# Altium PCB Enigma Rev A.PcbDoc (part 6 of 7) (continued)
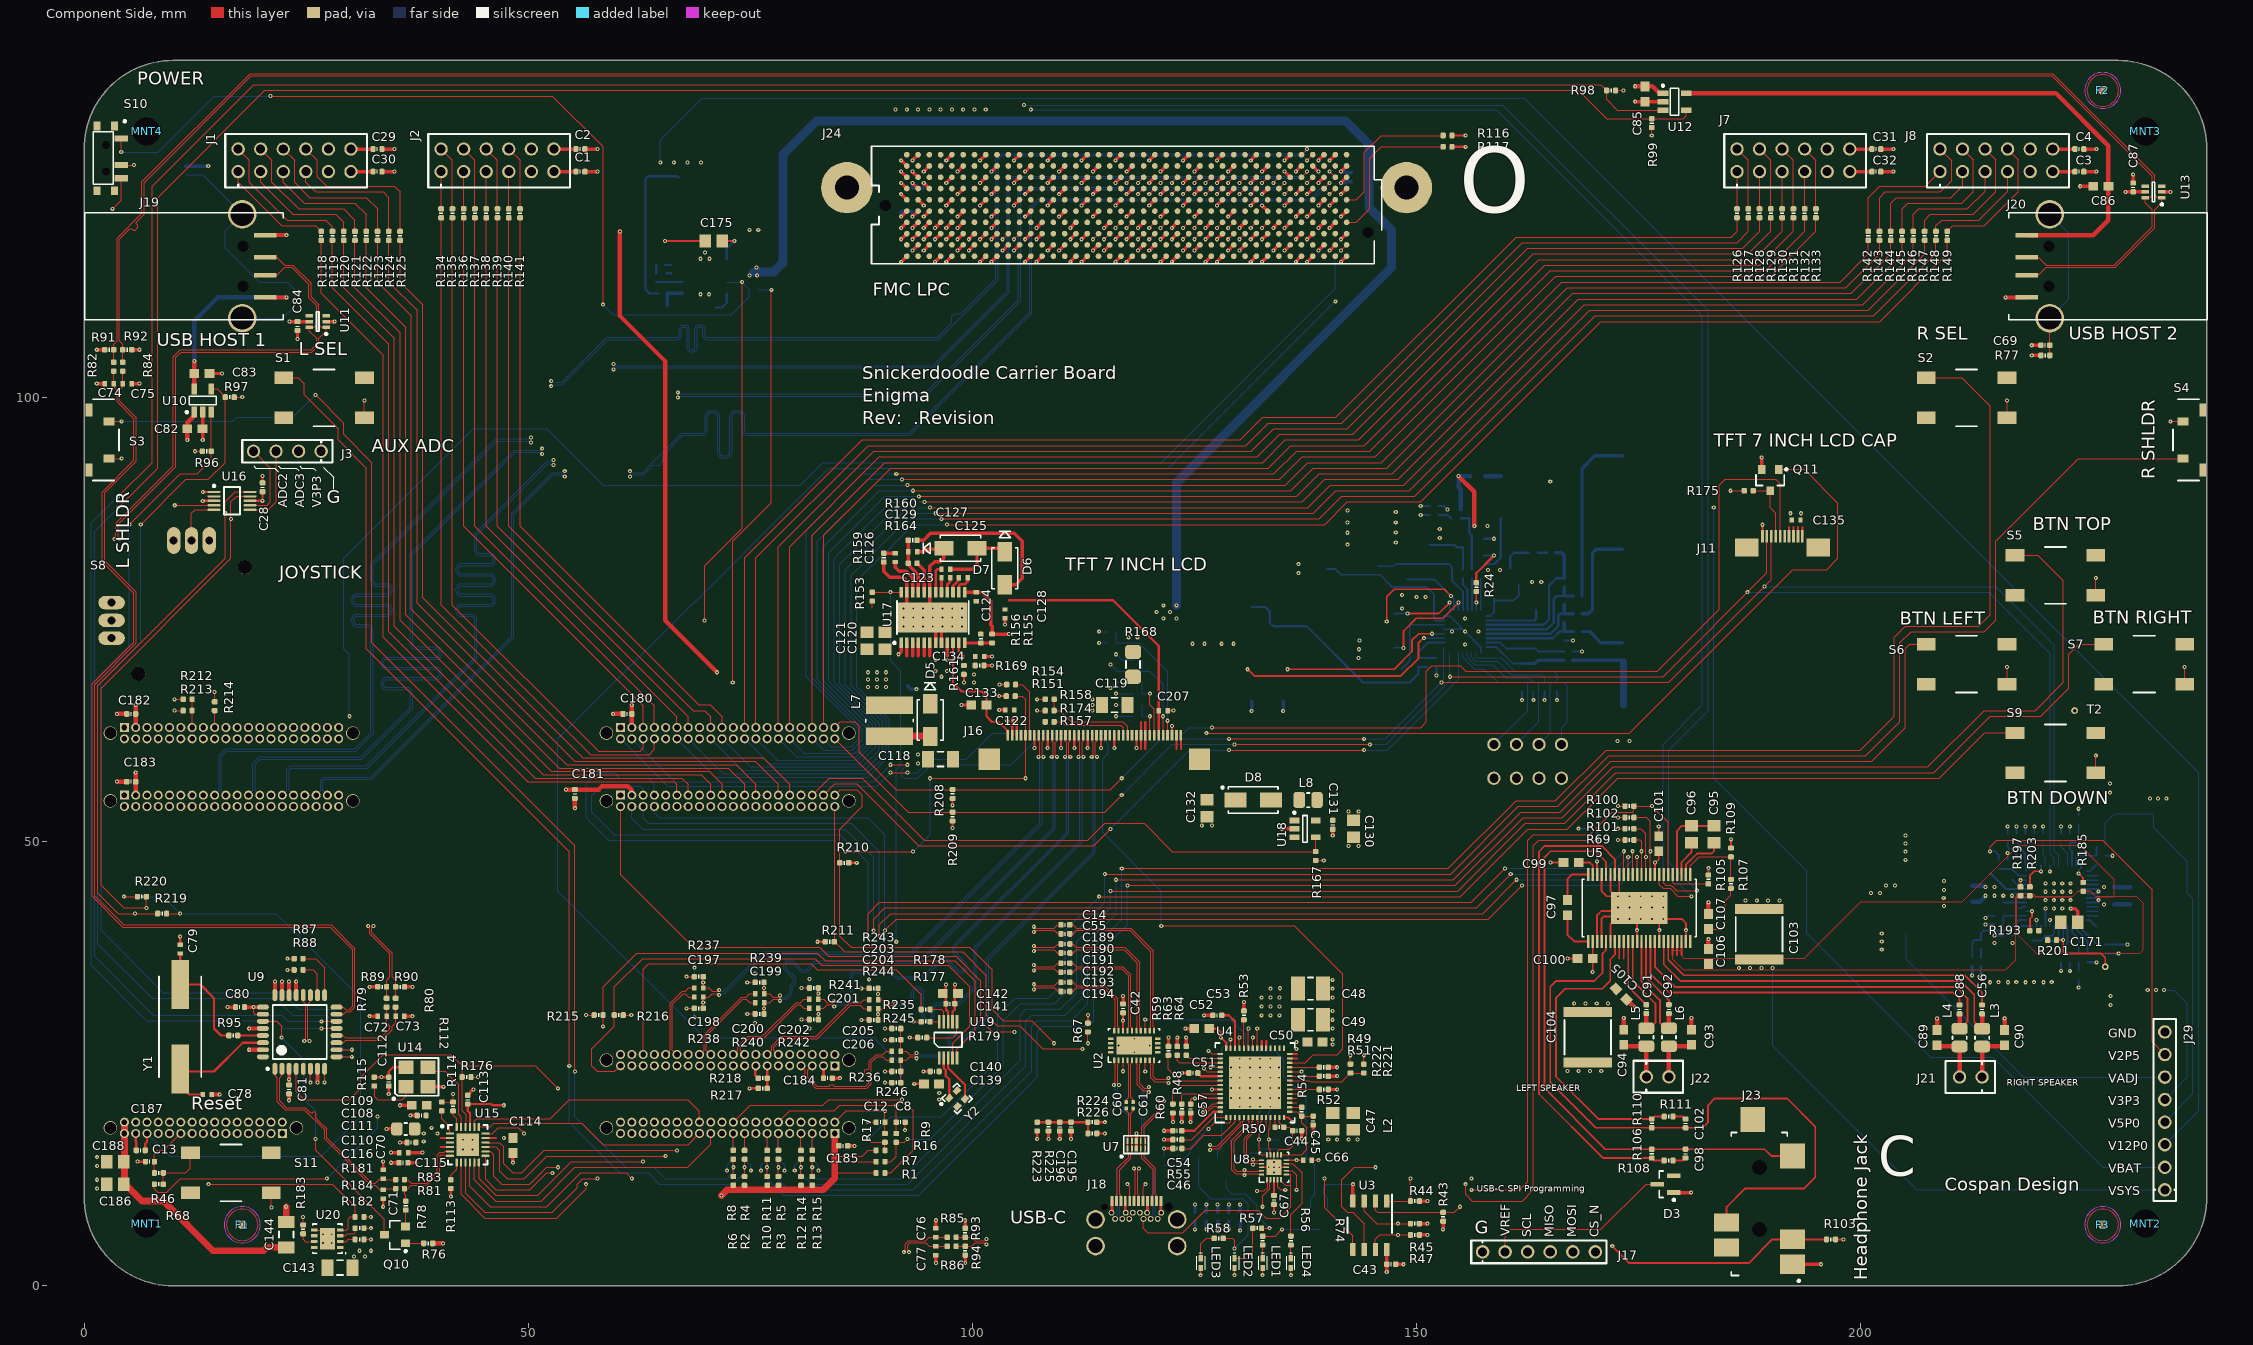
[diagram p0: Component Side view]
## Nets (pads, with @x,y where several pads share a name; then routed paths per layer and width w, separated by ;. In a path a pad name is that pad's centre, name@x,y a point inside that pad or via, vN(x,y) a via of type N, cw(c..) or ccw(c..) an arc to the next point about the centre after c; other vN are vias at no path point) (continued)
  other v1: 38.227,16.256 38.227,17.145 39.751,17.145 39.116,17.78 136.5,26.65 136.5,27.45 232.652,54.869 233.568,54.869 234.485,54.869 88.265,67.437 89.281,67.437 90.297,67.437 88.265,68.263 89.281,68.263 90.297,68.263 89.281,69.088 90.297,69.088
V12P0: C176.2 J24.C35 J24.C37 J29.3 L13.1 R205.1 | length 272.5
  Component Side w0.381: v1(95.806,117.856) J24.C37@96.441,118.491 ; v1(98.346,117.856) J24.C35@98.981,118.491
  Solder Side w0.127: v1(64.868,126.486) 64.868,129.003 69.596,133.731 162.179,133.731 238.125,57.785 238.125,19.685 J29.3@234.315,15.875
  Solder Side w0.254: R205.1@64.65,111.76 63.655,111.76 63.2,112.215 63.2,124.691 63.471,124.962 66.803,124.962 L13.1@66.95,124.815
  other v1: 66.392,126.486 67.916,126.486 69.44,126.486
VADJ: C136.2 C137.2 C138.2 C159.2 C182.2 C183.2 J6.3 J10.3 J24.E39 J24.F40 J24.G39 J24.H1 J24.H40 J29.6 L11.1 R195.1 R212.1 | length 64.9
  Component Side w0.127: v1(10.16,66.04) R212.1@11.131,66.04
  Component Side w0.381: v1(91.996,122.936) J24.F40@92.631,122.301 ; v1(91.996,125.476) J24.H40@92.631,124.841 ; v1(93.266,120.396) J24.E39@93.901,121.031 ; v1(93.266,124.206) J24.G39@93.901,123.571 ; v1(141.526,124.206) J24.H1@142.161,124.841
  Component Side w0.508: J10.3@5.781,55.245 C183.2@5.781,56.769 v1(5.781,57.785) ; J6.3@5.781,62.865 C182.2@5.781,64.389 v1(5.781,65.405)
  Inner Layer 1 w0.203: v1(202.438,37.846) 208.18,37.846 211.753,41.419 v1(214.12,41.419)
  Solder Side w0.127: L11.1@205.174,39.624 205.174,36.761 218.44,23.495 J29.6@234.315,23.495
  Solder Side w0.203: v1(214.12,41.419) 214.37,41.669 R195.1@215.12,41.669
  Solder Side w0.381: C136.2@93.131,121.031 93.266,120.896 v1(93.266,120.396) ; v1(93.266,124.206) 93.266,123.706 C138.2@93.401,123.571 ; v1(141.526,124.206) 142.026,124.206 142.161,124.341 C137.2@142.669,124.341
  other v1: 202.438,38.763 202.438,39.679
VBAT: C48.2 C49.2 J29.2 Q3.2 Q4.1 Q4.2 Q4.3 R24.1 R26.1 R27.1 R28.1 R182.1 R183.1 U4.33 U4.34 | length 279.2
  Component Side w0.127: R183.1@24.638,6.842 v1(24.638,7.747) ; R182.1@31.488,5.207 v1(32.258,5.207)
  Component Side w0.254: U4.34@132.6,26.75 132.6,27.55 ; U4.33@133.1,26.75 133.1,27.55 ; R24.1@156.771,79.179 156.771,80.229 v1(158.771,82.229)
  Inner Layer 1 w0.127: v1(24.638,7.747) 29.718,7.747 v1(32.258,5.207) 35.433,5.207 38.1,7.874 86.487,7.874 91.186,3.175 95.25,3.175 97.79,5.715 97.79,19.05 110.49,31.75 125.095,31.75 126.795,33.45 v1(133.6,33.45)
  Inner Layer 2 w0.127: v1(153.521,87.429) 153.521,89.386 153.67,89.535 181.61,89.535 v1(183.515,87.63)
  Solder Side w0.127: v1(183.515,87.63) 183.515,57.15 193.992,46.672 193.992,39.688 207.962,25.717 214.947,25.717 227.33,13.335 J29.2@234.315,13.335
  Solder Side w0.254: R27.1@152.521,87.81 153.14,87.81 v1(153.521,87.429) ; Q3.2@157.671,82.229 v1(158.771,82.229)
  other v1: 132.6,30.45 133.6,30.45 134.6,30.45 132.6,31.45 133.6,31.45 134.6,31.45 132.6,32.45 133.6,32.45 134.6,32.45 134.65,33.5 152.654,84.201 152.654,85.217
VBUS: C62.2 C63.2 C64.2 C65.2 D4.1 J18.A4 J18.A9 J18.B4 J18.B9 L2.1 | length 7
  Component Side w0.305: J18.B9@117.237,8.265 J18.A4@117.237,9.525 ; J18.B4@119.737,8.265 J18.A9@119.737,9.525
  Solder Side w0.381: C64.2@125.095,8.247 v1(125.095,9.144) ; C63.2@126.365,8.255 v1(126.365,9.152) ; C65.2@127.635,8.255 v1(127.635,9.152) ; C62.2@128.905,8.255 v1(128.905,9.152) ; D4.1@130.175,8.255 v1(130.175,9.152)
  other v1: 142.4,16.45 143.4,16.45
VC1: C21.2 C24.1 R31.2 U1.6 | length 11.1
  Solder Side w0.254: U1.6@157.921,72.929 165.385,72.929 166.135,73.679 C24.1@166.676,73.679
  Solder Side w0.381: C21.2@166.676,74.679 C24.1@166.676,73.679 R31.2@167.676,73.679
VC2: C20.2 C21.1 R29.2 U1.5 | length 12.4
  Solder Side w0.254: U1.5@157.921,73.429 165.123,73.429 165.989,74.295 165.989,75.565 166.103,75.679 C21.1@166.676,75.679
  Solder Side w0.381: C20.2@166.676,76.679 C21.1@166.676,75.679 R29.2@167.676,75.679
VC3: C17.2 C20.1 R25.2 U1.4 | length 13.9
  Solder Side w0.254: U1.4@157.921,73.929 164.734,73.929 165.481,74.676 165.481,77.343 165.817,77.679 C20.1@166.676,77.679
  Solder Side w0.381: C17.2@166.676,78.679 C20.1@166.676,77.679 R25.2@167.676,77.679
VC4: C17.1 R21.2 U1.3 | length 16.8
  Solder Side w0.254: U1.3@157.921,74.429 164.345,74.429 164.973,75.057 164.973,78.867 165.785,79.679 C17.1@166.676,79.679
  Solder Side w0.381: R21.2@165.727,82.55 166.37,82.55 166.676,82.244 C17.1@166.676,79.679
VDDD_V3P3: C171.2 R180.2 R181.2 R185.1 R189.1 R193.1 R197.1 R201.2 R203.1 U21.20 | length 313.8
  Component Side w0.127: R181.2@31.488,7.747 v1(32.258,7.747) ; v1(73.025,67.945) 73.025,83.82 77.367,88.162 v1(77.367,112.165)
  Inner Layer 1 w0.127: v1(73.025,67.945) 74.295,66.675 90.805,66.675 99.695,57.785 99.695,50.8 110.871,39.624 150.114,39.624 151.638,38.1 190.5,38.1 204.47,52.07 215.265,52.07 219.71,47.625 219.71,42.829 v1(221.37,41.169)
  Inner Layer 2 w0.127: v1(32.258,7.747) 32.258,25.273 34.29,27.305 34.29,41.91 60.325,67.945 v1(73.025,67.945)
  Solder Side w0.127: R180.2@75.9,112.165 v1(77.367,112.165)
  Solder Side w0.203: U21.20@221.37,40.519 v1(221.37,41.169) ; R189.1@227.62,38.419 v1(230.12,38.419)
VFB: C38.1 R37.2 R42.1 U1.18 | length 6
  Solder Side w0.203: R42.1@152.271,70.679 R37.2@151.271,70.679 C38.1@150.271,70.679 150.271,71.404 151.296,72.429 U1.18@153.121,72.429
VHST_5P0_0: C83.2 J19.1 U10.5 | length 21.6
  Component Side w0.457: J19.1@20.38,111.316 v1(22.781,111.316)
  Component Side w0.508: U10.5@12.385,101.005 C83.2@12.385,102.743 v1(12.385,104.14)
  Solder Side w0.508: v1@12.385,104.079 v1(12.385,104.14) 12.385,108.651 15.05,111.316 v1(22.781,111.316)
VHST_5P0_1: C86.2 J20.1 U12.5 | length 68.3
  Component Side w0.508: U12.5@180.42,134.3 222.062,134.3 227.965,128.397 C86.2@227.965,123.825 227.965,120.015 226.266,118.316 J20.1@218.761,118.316
VREF_B_M2C: J24.K1
VSYS: C16.1 C36.1 C37.1 C38.2 C103.2 C104.2 C105.2 C106.2 C143.2 C146.2 C152.2 C158.2 C164.2 C169.2 C170.2 C174.2 J29.1 Q2.1 Q2.2 Q2.3 R19.1 R36.1 R37.1 U5.32 U5.33 U5.44 U5.45 U5.46 U20.1 U21.5 U21.6 U21.22 U21.30 U21.31 U22.2 | length 262.9
  Component Side w0.203: 172.883,36.865 U5.32@172.883,38.77 ; 173.383,36.865 U5.33@173.383,38.77
  Component Side w0.254: 178.883,37.278 U5.44@178.883,38.77 ; 179.383,37.278 U5.45@179.383,38.77 ; 179.883,37.278 U5.46@179.883,38.77
  Component Side w0.508: v1(154.771,91.179) 156.546,89.404 v1(156.546,85.554)
  Solder Side w0.127: v1(190.147,35.778) 190.147,27.023 206.375,10.795 J29.1@234.315,10.795
  Solder Side w0.203: 217.457,43.669 U21.30@218.72,43.669 ; 217.457,44.169 U21.31@218.72,44.169 ; 220.37,39.819 U21.22@220.37,40.519 ; U21.6@225.52,44.169 226.783,44.169 ; U21.5@225.52,44.669 226.783,44.669
  Solder Side w0.254: R36.1@131.471,76.429 133.021,76.429 133.521,75.929 133.521,74.679 133.921,74.279 137.671,74.279 144.021,67.929 149.271,67.929 150.271,68.929 C38.2@150.271,69.679 R37.1@151.271,69.679
  Solder Side w0.508: R19.1@155.021,87.429 155.021,89.679 154.771,89.929 v1(154.771,91.179) C16.1@156.071,91.179 ; C164.2@212.62,43.219 213.47,43.219 v1@214.02,43.769 ; C158.2@212.62,45.019 v1@214.02,45.019 ; C152.2@228.62,44.869 C146.2@230.42,44.869
  Solder Side w1.016: 75.359,114.173 77.645,114.173 78.661,115.189 78.661,127.381 82.471,131.191 142.034,131.191 144.701,128.524 144.701,121.412 147.241,118.872 147.241,114.681 123.021,90.461 v1(123.021,76.629)
  other v1: 30.353,3.302 31.623,3.302 30.988,3.937 32.258,3.937 167.795,31.785 169.065,31.785 170.335,31.785 171.605,31.785 186.337,35.778 187.607,35.778 188.877,35.778 215.138,38.608 217.17,38.608 214.12,43.919 215.12,43.919 216.12,43.919 217.12,43.919 226.87,44.419 214.12,44.919 215.12,44.919 227.47,44.919 121.521,75.129 123.021,75.129 120.771,75.879 122.271,75.879 121.521,76.629 158.046,85.554 74.9,113.765 75.775,113.79 75.7,114.665
X_DP1_TX0_N: C14.2 U2.15 | length 19.7
  Component Side w0.127: C14.2@110.99,40.64 111.354,40.64 111.735,40.259 117.834,40.259 120.364,37.729 120.364,29.187 120.487,29.064 U2.15@120.487,28.701
X_DP1_TX0_P: C55.2 U2.16 | length 19.2
  Component Side w0.127: C55.2@110.99,39.624 111.354,39.624 111.735,40.005 117.729,40.005 120.11,37.624 120.11,29.187 119.987,29.064 U2.16@119.987,28.701
X_DP1_TX1_N: C189.2 U2.18 | length 16.5
  Component Side w0.127: C189.2@110.99,38.481 111.354,38.481 111.735,38.1 117.199,38.1 118.864,36.435 118.864,29.187 118.987,29.064 U2.18@118.987,28.701
X_DP1_TX1_P: C190.2 U2.19 | length 16.1
  Component Side w0.127: C190.2@110.99,37.465 111.354,37.465 111.735,37.846 117.094,37.846 118.61,36.33 118.61,29.188 118.487,29.064 U2.19@118.487,28.701
X_DP1_TX2_N: C191.2 U2.20 | length 13.8
  Component Side w0.127: C191.2@110.99,36.322 111.354,36.322 111.735,35.941 116.945,35.941 117.864,35.022 117.864,29.187 117.987,29.064 U2.20@117.987,28.701
X_DP1_TX2_P: C192.2 U2.21 | length 13.4
  Component Side w0.127: C192.2@110.99,35.306 111.354,35.306 111.735,35.687 116.84,35.687 117.61,34.917 117.61,29.187 117.487,29.064 U2.21@117.487,28.701
X_DP1_TX3_N: C193.2 U2.23 | length 9.8
  Component Side w0.127: C193.2@110.99,34.163 111.354,34.163 111.735,33.782 114.913,33.782 116.364,32.331 116.364,29.187 116.487,29.064 U2.23@116.487,28.701
X_DP1_TX3_P: C194.2 U2.24 | length 9.4
  Component Side w0.127: C194.2@110.99,33.147 111.354,33.147 111.735,33.528 114.808,33.528 116.11,32.226 116.11,29.188 115.987,29.064 U2.24@115.987,28.701
ZYNQ_RST_N: C13.2 J27.19 R46.1 | length 6.1
  Component Side w0.127: R46.1@7.89,12.7 C13.2@7.89,13.97 7.89,14.875 8.255,15.24 8.956,15.24 J27.19@10.861,17.145
pads on no net: D1.2 D2.2 D3.2 F1.0 F2.0 F3.0 J4.1 J4.41 J4.42 J5.1 J5.41 J5.42 J6.1 J6.2 J6.11 J6.19 J6.39 J6.40 J6.41 J6.42 J10.1 J10.2 J10.4 J10.39 J10.40 J10.41 J10.42 J11.6 J11.M1 J11.M2 J12.MNT J13.MNT J14.MNT J15.MNT J16.4 J16.23 J16.24 J16.26 J16.M1 J16.M2 J18.M J19. J20. J23. J23.5 J23.6 J24.B40 J24.J39 J24.K40 J24.M1 J24.M3 J24.MH1 J24.MH2 J25.1 J25.2 J25.4 J25.11 J25.17 J25.19 J25.23 J25.25 J25.29 J25.31 J25.35 J25.37 J25.38 J25.41 J25.42 J26.3 J26.39 J26.40 J26.41 J26.42 J27.1 J27.2 J27.3 J27.4 J27.11 J27.12 J27.13 J27.14 J27.15 J27.16 J27.18 J27.21 J27.22 J27.23 J27.24 J27.41 J27.42 MNT1.MOUNT MNT2.MOUNT MNT3.MOUNT MNT4.MOUNT R157.1 S1.2 S1.3 S2.2 S2.3 S3.M S4.M S5.2 S5.3 S6.2 S6.3 S7.2 S7.3 S8.1 S9.2 S9.3 S10.0 S10.M S11.2 S11.3 U2.11 U2.12 U2.13 U2.14 U2.25 U2.26 U2.27 U2.28 U4.29 U4.30 U4.31 U4.32 U8.21@133.51,12.86 U8.21@133.51,13.81 U8.21@134.46,12.86 U8.21@134.46,13.81 U9.5 U9.32 U11.3 U11.4 U13.3 U13.4 U17.25@95.56,75.255 U20.6 U21.44 Y2.2 Y2.4
copper on no net:
  other v1: 165.1,90.551

## Polygon pours and split planes (outlines as drawn)
VBUS on Inner Layer 2 "VBUS_L04_P000" (solid, remove dead copper, pour order 0): 116.967,8.255 116.967,9.525 118.237,10.795 138.945,10.795 142.2,14.05 142.2,16.75 143.6,16.75 143.6,11.52 139.065,6.985 125.73,6.985 123.825,8.89 120.65,8.89 120.015,8.255
VBAT on Inner Layer 2 "VBAT_L04_P004" (solid, remove dead copper, pour order 4): 132.08,29.845 132.08,37.465 152.4,57.785 152.4,81.28 152.4,87.63 153.035,88.265 158.75,88.265 160.02,86.995 160.02,52.07 137.795,29.845
V5P0 on Inner Layer 2 "V5P0_L04_P016" (solid, remove dead copper, pour order 16): 162.306,25.4 178.816,41.91 233.045,41.91 236.22,45.085 236.22,123.19 222.885,136.525 172.72,136.525 172.72,135.382 175.387,132.715 220.345,132.715 228.6,124.46 228.6,48.895 227.33,47.625 178.816,47.625 160.655,29.464 136.271,29.464 132.08,29.464 91.694,69.85 87.376,69.85 86.995,69.469 86.995,67.31 86.995,60.972 86.36,60.325 55.245,60.325 34.925,40.005 34.925,5.842 36.83,3.937 40.894,3.937 42.164,5.207 42.164,40.894 55.88,54.61 58.42,57.15 97.155,57.15 128.905,25.4 136.525,25.4
USB_3V3 on Inner Layer 1 "USB_3V3_L03_P012" (solid, remove dead copper, pour order 12): 182.245,11.43 180.34,11.43 170.815,1.905 156.845,1.905 154.305,4.445 154.305,18.415 139.7,33.02 113.792,33.02 102.87,22.098 102.87,3.175 105.41,0.635 180.975,0.635 182.245,1.905
V3P3 on Inner Layer 1 "V3P3_L03_P020" (solid, remove dead copper, pour order 20): 90.091,119.761 91.361,118.491 92.631,117.221 93.647,117.221 93.901,117.475 93.901,118.11 94.282,118.491 102.791,118.491 102.791,132.461 101.521,133.731 91.361,133.731 90.091,132.461
V12P0 on Inner Layer 1 "V12P0_L03_P022" (solid, remove dead copper, pour order 22): 94.409,118.364 94.028,117.983 94.028,117.348 93.774,117.094 88.059,117.094 78.153,127 64.77,127 64.135,126.365 64.135,125.857 64.77,125.222 71.93,125.222 83.741,113.411 96.441,113.411 98.981,115.951 98.981,118.364
V1P8 on Inner Layer 1 "V1P8_L03_P002" (solid, remove dead copper, pour order 2): 32.385,24.13 32.385,17.78 35.56,14.605 46.355,14.605 51.435,9.525 72.39,9.525 72.39,10.795 53.34,10.795 48.895,15.24 48.895,22.86 47.625,24.13
V2P5 on Inner Layer 1 "V2P5_L03_P018" (solid, remove dead copper, pour order 18): 215.265,49.53 213.741,51.054 205.105,51.054 175.641,21.59 165.354,21.59 148.463,38.481 61.341,38.481 55.88,33.02 55.88,29.845 57.15,28.575 67.818,28.575 73.025,28.575 73.66,27.94 73.596,22.796 74.803,21.59 93.345,21.59 94.615,20.32 97.155,20.32 109.22,32.385 124.206,32.385 126.111,34.29 139.065,34.29 156.845,16.51 179.07,16.51 205.867,43.307 210.312,43.307 215.265,48.26
VSYS on Solder Side "VSYS_L06_P006" (solid, remove dead copper, pour order 6): 29.718,3.683 29.718,2.54 94.615,2.54 118.745,26.67 118.745,29.845 124.46,35.56 161.925,35.56 166.37,31.115 172.085,31.115 172.72,31.75 175.895,34.925 193.675,34.925 194.31,35.56 194.31,37.465 193.675,38.1 172.72,38.1 166.37,44.45 153.67,44.45 133.985,64.135 130.81,64.135 123.317,71.628 123.317,76.708 123.096,76.929 121.271,76.929 120.271,75.929 120.271,71.499 137.795,53.975 137.795,44.45 133.985,40.64 118.745,40.64 114.3,36.195 114.3,29.21 94.615,9.525 32.258,9.525 29.718,6.985
VSYS on Component Side "VSYS_L01_P010" (solid, remove dead copper, pour order 10): 178.816,36.83 180.086,35.56 216.408,35.56 217.551,36.703 217.551,43.815 223.901,43.815 224.505,44.419 225.964,44.419 226.568,43.815 228.6,43.815 228.6,45.72 224.79,49.53 217.805,49.53 211.455,43.18 200.025,43.18 193.675,36.83 180.213,36.83 179.959,37.084 179.959,37.719 178.816,37.719
VDDD_V3P3 on Component Side "VDDD_V3P3_L01_P014" (solid, remove dead copper, pour order 14): 217.613,44.069 217.613,39.689 219.837,37.465 231.521,37.465 231.902,37.846 231.902,43.053 231.14,43.815 226.568,43.815 225.964,44.419 224.505,44.419 223.901,43.815 219.831,43.815 219.577,44.069
GND on Ground Plane (GND) (split plane): 229.488,137.482 229.926,137.452 230.361,137.401 230.794,137.33 231.223,137.24 231.648,137.13 232.066,137 232.479,136.851 232.884,136.683 233.281,136.497 233.669,136.292 234.047,136.07 234.414,135.831 234.77,135.575 235.114,135.303 235.445,135.015 235.762,134.712 236.065,134.395 236.353,134.064 236.625,133.72 236.881,133.364 237.12,132.997 237.342,132.619 237.547,132.231 237.733,131.834 237.901,131.429 238.05,131.016 238.18,130.598 238.29,130.173 238.38,129.744 238.451,129.311 238.502,128.876 238.532,128.438 238.542,128.02 238.54,128 238.54,10 238.542,9.98 238.532,9.562 238.502,9.124 238.451,8.689 238.38,8.256 238.29,7.827 238.18,7.402 238.05,6.984 237.901,6.571 237.733,6.166 237.547,5.769 237.342,5.381 237.12,5.003 236.881,4.636 236.625,4.28 236.353,3.936 236.065,3.605 235.762,3.288 235.445,2.985 235.114,2.697 234.77,2.425 234.414,2.169 234.047,1.93 233.669,1.708 233.281,1.503 232.884,1.317 232.479,1.149 232.066,1 231.648,0.87 231.223,0.76 230.794,0.67 230.361,0.599 229.926,0.548 229.488,0.518 229.07,0.508 229.05,0.51 9.967,0.51 9.947,0.508 9.529,0.518 9.091,0.548 8.656,0.599 8.223,0.67 7.794,0.76 7.369,0.87 6.951,1 6.538,1.149 6.133,1.317 5.736,1.503 5.348,1.708 4.97,1.93 4.603,2.169 4.247,2.425 3.903,2.697 3.572,2.985 3.255,3.288 2.952,3.605 2.664,3.936 2.392,4.28 2.136,4.636 1.897,5.003 1.675,5.381 1.47,5.769 1.284,6.166 1.116,6.571 0.967,6.984 0.837,7.402 0.727,7.827 0.637,8.256 0.566,8.689 0.515,9.124 0.485,9.562 0.475,9.98 0.477,10 0.477,128 0.475,128.02 0.485,128.438 0.515,128.876 0.566,129.311 0.637,129.744 0.727,130.173 0.837,130.598 0.967,131.016 1.116,131.429 1.284,131.834 1.47,132.231 1.675,132.619 1.897,132.997 2.136,133.364 2.392,133.72 2.664,134.064 2.952,134.395 3.255,134.712 3.572,135.015 3.903,135.303 4.247,135.575 4.603,135.831 4.97,136.07 5.348,136.292 5.736,136.497 6.133,136.683 6.538,136.851 6.951,137 7.369,137.13 7.794,137.24 8.223,137.33 8.656,137.401 9.091,137.452 9.529,137.482 9.947,137.492 9.967,137.49 229.05,137.49 229.07,137.492
VADJ on Power Plane (VCC) (split plane): 144.572,128.597 144.572,122.301 144.581,122.251 144.609,122.209 147.149,119.669 147.191,119.641 147.241,119.632 172.92,119.632 183.386,109.166 183.386,79.375 183.395,79.325 183.423,79.283 211.326,51.381 211.326,45.72 211.326,37.646 209.496,35.816 203.127,35.816 200.789,38.154 200.789,50.165 200.78,50.215 200.752,50.257 175.389,75.619 175.389,96.52 175.38,96.57 175.352,96.612 163.366,108.598 163.324,108.626 163.274,108.635 147.241,108.635 147.191,108.626 147.149,108.598 127.581,89.029 103.505,89.029 103.455,89.02 103.413,88.992 97.101,82.679 80.645,82.679 80.595,82.67 80.553,82.642 64.716,66.804 60.325,66.804 60.275,66.795 60.233,66.767 58.328,64.862 52.613,59.147 52.585,59.105 52.576,59.055 52.576,55.934 40.586,43.944 8.944,43.944 1.997,50.892 1.955,50.92 1.905,50.929 0.477,50.929 0.477,67.181 2.54,67.181 2.59,67.19 2.632,67.218 7.077,71.663 7.105,71.705 7.114,71.755 7.114,74.241 29.937,97.063 29.965,97.105 29.974,97.155 29.974,100.911 51.489,122.426 57.15,122.426 57.2,122.435 57.242,122.463 65.84,131.062 142.107,131.062
V3P3 on Power Plane (VCC) (split plane): 230 vertices, not listed, extent 0.475,0.508 238.542,137.492

## Other copper
Component Side:
  text "GTL - TOP LAYER" at -106.74,0.26 h1.52
Solder Side:
  text "GBL - BOTTOM LAYER" at -106.74,-20.24 h1.52
Ground Plane (GND) (plane layer: these items are gaps in the copper):
  the board outline again, w1.016
  text "GP1 - GROUND PLANE 1" at -106.378,-7.137 h1.52
Power Plane (VCC) (plane layer: these items are gaps in the copper):
  lines w0.254: -0.033,50.8 1.905,50.8 8.89,43.815 40.64,43.815 52.705,55.88 52.705,59.055 58.42,64.77 60.325,66.675 61.595,66.675 64.77,66.675 80.645,82.55 97.155,82.55 103.505,88.9 127.635,88.9 147.241,108.506 163.274,108.506 175.26,96.52 175.26,75.565 200.66,50.165 200.66,38.1 203.073,35.687 209.55,35.687 211.455,37.592 211.455,45.72 211.455,51.435 183.515,79.375 183.515,109.22 172.974,119.761 147.241,119.761 144.701,122.301 144.701,128.651 142.161,131.191 65.786,131.191 57.15,122.555 51.435,122.555 29.845,100.965 29.845,97.155 6.985,74.295 6.985,71.755 2.54,67.31 -0.033,67.31
  lines w1.016: -0.033,10 ccw(c9.967,10) 9.967,0 229.05,0 ccw(c229.05,10) 239.05,10 239.05,128 ccw(c229.05,128) 229.05,138 9.967,138 ccw(c9.967,128) -0.033,128 -0.033,10
  text "GP2 - POWER PLANE 1" at -106.74,-9.74 h1.52
Multi-Layer:
  text "MULTI-LAYER HOLES" at -38.077,-40.361 h1.52

## Silkscreen, mask and mechanical layers (free items; w line width, h text height)
Top Overlay:
  lines w0.127: 19.05,92.329 19.304,92.075 21.463,92.075 21.844,91.694 ; 21.844,92.329 22.098,92.075 23.876,92.075 24.13,91.821 ; 24.257,92.329 24.511,92.075 25.781,92.075 26.035,91.821 ; 26.924,92.202 28.067,91.059 28.067,89.662
  text "POWER" at 5.969,134.747 h2.54
  text "O" at 154.861,118.491 h12.7
  text "FMC LPC" at 88.821,110.998 h2.54
  text "R SEL" at 206.375,106.045 h2.54
  text "USB HOST 2" at 223.52,106.045 h2.54
  text "USB HOST 1" at 8.128,105.283 h2.54
  text "L SEL" at 24.13,104.267 h2.54
  text "Snickerdoodle Carrier Board" at 87.63,101.6 h2.54
  text "Enigma" at 87.63,99.06 h2.54
  text "Rev:" at 87.63,96.52 h2.54
  text ".Revision" at 93.345,96.52 h2.54
  text "TFT 7 INCH LCD CAP" at 183.515,93.98 h2.54
  text "AUX ADC" at 32.385,93.345 h2.54
  text "R SHLDR" at 233.68,90.805 h2.54 r90
  text "ADC2" at 22.86,87.63 h1.02 r90
  text "ADC3" at 24.765,87.63 h1.02 r90
  text "V3P3" at 26.67,87.63 h1.02 r90
  text "G" at 27.305,87.63 h2.54
  text "BTN TOP" at 219.456,84.582 h2.54
  text "L SHLDR" at 5.588,80.772 h2.54 r90
  text "TFT 7 INCH LCD" at 110.49,80.01 h2.54
  text "JOYSTICK" at 21.971,79.121 h2.54
  text "BTN RIGHT" at 226.187,74.041 h2.54
  text "BTN LEFT" at 204.47,73.914 h2.54
  text "BTN DOWN" at 216.535,53.721 h2.54
  text "GND" at 227.965,27.94 h1.02
  text "V2P5" at 227.965,25.4 h1.02
  text "VADJ" at 227.965,22.86 h1.02
  text "RIGHT SPEAKER" at 216.535,22.225 h1.27
  text "LEFT SPEAKER" at 161.29,21.59 h1.27
  text "V3P3" at 227.965,20.32 h1.02
  text "Reset" at 12.065,19.304 h2.54
  text "V5P0" at 227.965,17.78 h1.02
  text "V12P0" at 227.965,15.24 h1.02
  text "VBAT" at 227.965,12.7 h1.02
  text "C" at 202.057,10.922 h7.62
  text "USB-C SPI Programming" at 156.845,10.287 h1.27
  text "Cospan Design" at 209.55,10.16 h2.54
  text "VSYS" at 227.965,10.16 h1.02
  text "USB-C" at 104.267,6.477 h2.54
  text "VREF" at 160.528,5.588 h1.02 r90
  text "SCL" at 162.941,5.461 h1.02 r90
  text "MISO" at 165.481,5.461 h1.02 r90
  text "MOSI" at 168.021,5.461 h1.02 r90
  text "CS_N" at 170.561,5.461 h1.02 r90
  text "G" at 156.591,5.334 h2.54
  text "Headphone Jack" at 201.295,0.635 h2.54 r90
Bottom Overlay:
  text "CELL 4" at 197.485,104.775 h2.54
  text "CELL 3" at 197.485,94.615 h2.54
  text "CELL 2" at 197.485,84.455 h2.54
  text "CELL 1" at 197.485,73.66 h2.54
  text "EXT THERMISTOR" at 155.829,60.071 h2.54
  text "GND" at 155.829,56.515 h2.54
Mechanical 2:
  lines w0.254: -0.033,10 ccw(c9.967,10) 9.967,0 229,0 ccw(c229,10) 239,10 239,128 ccw(c229,128) 229,138 9.967,138 ccw(c9.967,128) -0.033,128 -0.033,10
  text "02 PCB BOUNDRY" at -38.077,2.794 h1.52
Mechanical 3:
  text "03" at -38.077,0.254 h1.52
Mechanical 4:
  text "04" at -38.077,-2.286 h1.52
Mechanical 5:
  text "05" at -38.077,-4.826 h1.52
Mechanical 6:
  lines w0.508: -108.413,61.394 -13.663,61.394
  text "FAB NOTES: UNLESS OTHERWISE SPECIFIED" at -108.413,62.144 h1.52
  text "1) MATERIAL: GLASS EPOXY FR-4, UL 94V-0" at -108.485,58.554 h1.52
  text "2) FINISH - ENIG" at -108.485,55.061 h1.52
  text "3) HOLE DIAMETERS APPLY AFTER PLATING" at -108.485,52.076 h1.52
  text "4) SILKSREEN: WHITE EPOXY - BOTH SIDES" at -108.485,49.091 h1.52
  text "5) LAYER TO LAYER REGISTRATION: TO BE WITHIN +/- 0.003" at -108.485,46.106 h1.52
  text "6) ALL HOLES TO BE LOCATED WITHIN +/- 0.003 TRUE POSITION" at -108.485,43.121 h1.52
  text "7) TOLERANCES: .XX = +/- 0.02, .XXX = +/- 0.005" at -108.485,40.644 h1.52
  text "8) ALL DIMENSIONS IN INCHES" at -108.485,37.151 h1.52
  text "9) MIN TRACE WIDTH: 5MIL" at -108.485,34.166 h1.52
  text "10) MIN CLEARANCE: 5MIL" at -108.485,31.181 h1.52
  text "11) PLATE EDGE CONNECTORS PER IPC-6012 LATEST REVISION" at -108.485,28.196 h1.52
  text "12) OVERALL BOARD HEIGHT: 62MILS" at -108.485,25.211 h1.52
  text "13.) 20MIL PULLBACK ON INNER PLANES" at -108.485,22.226 h1.52
  text "14.) 50 OHM TRACE IMPEDANCE ON OUTER LAYERS: 5MILS" at -108.485,19.241 h1.52
  text "15.) 50 OHM TRACE IMPEDANCE ON INNER LAYERS: 5MILS" at -108.485,16.256 h1.52
  text "06 FABRICATION NOTES" at -38.077,-7.366 h1.52
Mechanical 8:
  lines w0.254: 35.052,61.99 104,61.99 104,28.067 ; 189,20.066 189,84.49 202,84.49 ; 37.005,14.986 202,14.986 202,108.8 37.01,108.8 37.005,108.795 37.005,14.986
  text "PMOD A" at 17.145,121.92 h0.76
  text "PMOD B" at 40.005,121.92 h0.76
  text "PMOD C" at 186.055,121.92 h0.76
  text "PMOD D" at 208.915,121.92 h0.76
  text "RIGHT SHOLDER" at 231.902,115.57 h0.76 r270
  text "LEFT SHOLDER" at 7.62,106.553 h0.76 r90
  text "SELECT 2" at 209.725,97.79 h0.76
  text "SELECT 1" at 25.4,92.075 h0.76
  text "X" at 220.345,71.755 h0.76
  text "ANALOG JOYSTICK" at 5.842,64.262 h0.76
  text "A" at 230.505,62.23 h0.76
  text "Y" at 211.455,61.722 h0.76
  text "B" at 219.075,50.8 h0.76
  text "SPEAKER RIGHT" at 217.345,13.589 h0.76
  text "SPEAKER LEFT" at 12.367,12.954 h0.76
  text "08 FRONT WORKGUIDES NOTES" at -38.077,-12.446 h1.52
Mechanical 9:
  text "09 BACK WORKGUIDE NOTES" at -38.077,-14.986 h1.52
Mechanical 10:
  circle w0.152: c-81.74,165.1 r7.62
  circle w0.152: c-81.74,165.1 r5.08
  circle w0.152: c-81.74,165.1 r2.54
  circle w0.152: c248.46,165.1 r7.62
  circle w0.152: c248.46,165.1 r5.08
  circle w0.152: c248.46,165.1 r2.54
  circle w0.152: c248.46,0 r2.54
  circle w0.152: c248.46,0 r5.08
  circle w0.152: c248.46,0 r7.62
  lines w0.127: -91.9,165.1 -71.58,165.1 ; -81.74,154.94 -81.74,175.26 ; 238.3,0 258.62,0 ; 238.3,165.1 258.62,165.1 ; 248.46,-10.16 248.46,10.16 ; 248.46,154.94 248.46,175.26
  text "10" at -38.077,-17.526 h1.52
Mechanical 11:
  text "11 DESIGN INFORMATION" at -38.077,-20.066 h1.52
Mechanical 14:
  text "14" at -38.077,-27.686 h1.52
Mechanical 16:
  lines w0.051: -119.84,12.7 -112.22,12.7 ; -119.84,76.2 -112.22,76.2 ; -119.84,139.7 -112.22,139.7 ; -52.53,-50.8 -52.53,-43.18 ; -52.53,195.58 -52.53,203.2 ; 15.415,-50.8 15.415,-43.18 ; 15.415,195.58 15.415,203.2 ; 83.36,-50.8 83.36,-43.18 ; 83.36,195.58 83.36,203.2 ; 146.86,-43.18 146.86,-31.75 155.75,-31.75 ; 151.305,-50.8 151.305,-43.18 ; 151.305,195.58 151.305,203.2 ; 155.75,-43.18 155.75,-13.97 178.61,-13.97 ; 155.75,-36.83 278.94,-36.83 ; 155.75,-29.21 278.94,-29.21 ; 155.75,-21.59 178.61,-21.59 ; 178.61,-43.18 178.61,-13.97 ; 218.615,-50.8 218.615,-43.18 ; 229.41,-36.83 229.41,-29.21 ; 256.08,-36.83 256.08,-29.21 ; 278.94,-13.97 178.61,-13.97 ; 278.94,139.7 286.56,139.7 ; -119.84,-50.8 286.56,-50.8 286.56,203.2 -119.84,203.2 -119.84,-50.8 ; -112.22,-43.18 278.94,-43.18 278.94,195.58 -112.22,195.58 -112.22,-43.18
  text "1" at -87.455,198.12 h2.29
  text "2" at -19.51,198.12 h2.29
  text "3" at 49.07,198.12 h2.29
  text "4" at 116.38,198.12 h2.29
  text "5" at 184.452,198.12 h2.29
  text "D" at 282.115,171.45 h2.29
  text "D" at -116.538,170.815 h2.29
  text "C" at -116.665,107.315 h2.29
  text "B" at 282.115,44.45 h2.29
  text "B" at -116.665,43.815 h2.29
  text ".DrawnBy" at 157.655,-17.145 h2.29
  text ".Company" at 180.165,-17.383 h2.29
  text "A" at 282.115,-19.05 h2.29
  text "A" at -116.538,-20.955 h2.29
  text ".Engineer" at 157.655,-24.765 h2.29
  text ".Project" at 180.515,-32.258 h2.29
  text ".Print_Date" at 232.204,-32.258 h2.29
  text ".Print_Date" at 157.655,-32.385 h2.29
  text ".Revision" at 257.223,-32.385 h2.29
  text "16 SHEET" at -38.077,-32.766 h1.52
  text "B" at 149.654,-38.227 h4.57
  text "1:1" at 157.782,-40.005 h2.29
  text ".Pcb_File_Name_No_Path" at 180.388,-40.005 h2.29
  text "1" at 270.835,-41.15 h2.29
  text "of" at 266.875,-41.275 h2.29
  text "Sheet" at 249.095,-41.402 h2.29
  text "1" at 258.91,-41.4 h2.29
  text "Size" at 148.13,-41.91 h2.29
  text "1" at -87.455,-48.26 h2.29
  text "2" at -19.51,-48.26 h2.29
  text "3" at 49.07,-48.26 h2.29
  text "4" at 116.38,-48.26 h2.29
  text "5" at 184.325,-48.26 h2.29
  text "6" at 252.27,-48.26 h2.29